# Altium PCB PCB1.PcbDoc (part 2 of 2)
Units mm, origin at the board's own origin, x right, y up, seen from the top; angles counter-clockwise.
Board outline 172 x 137 mm, 4 copper layers (Top Layer, Ground Plane, Power Plane, Bottom Layer), stack 1.62 mm thick; 41 components, 171 nets, 822 pads, 132 vias.
Unrouted connection lines stored in the file: 189.
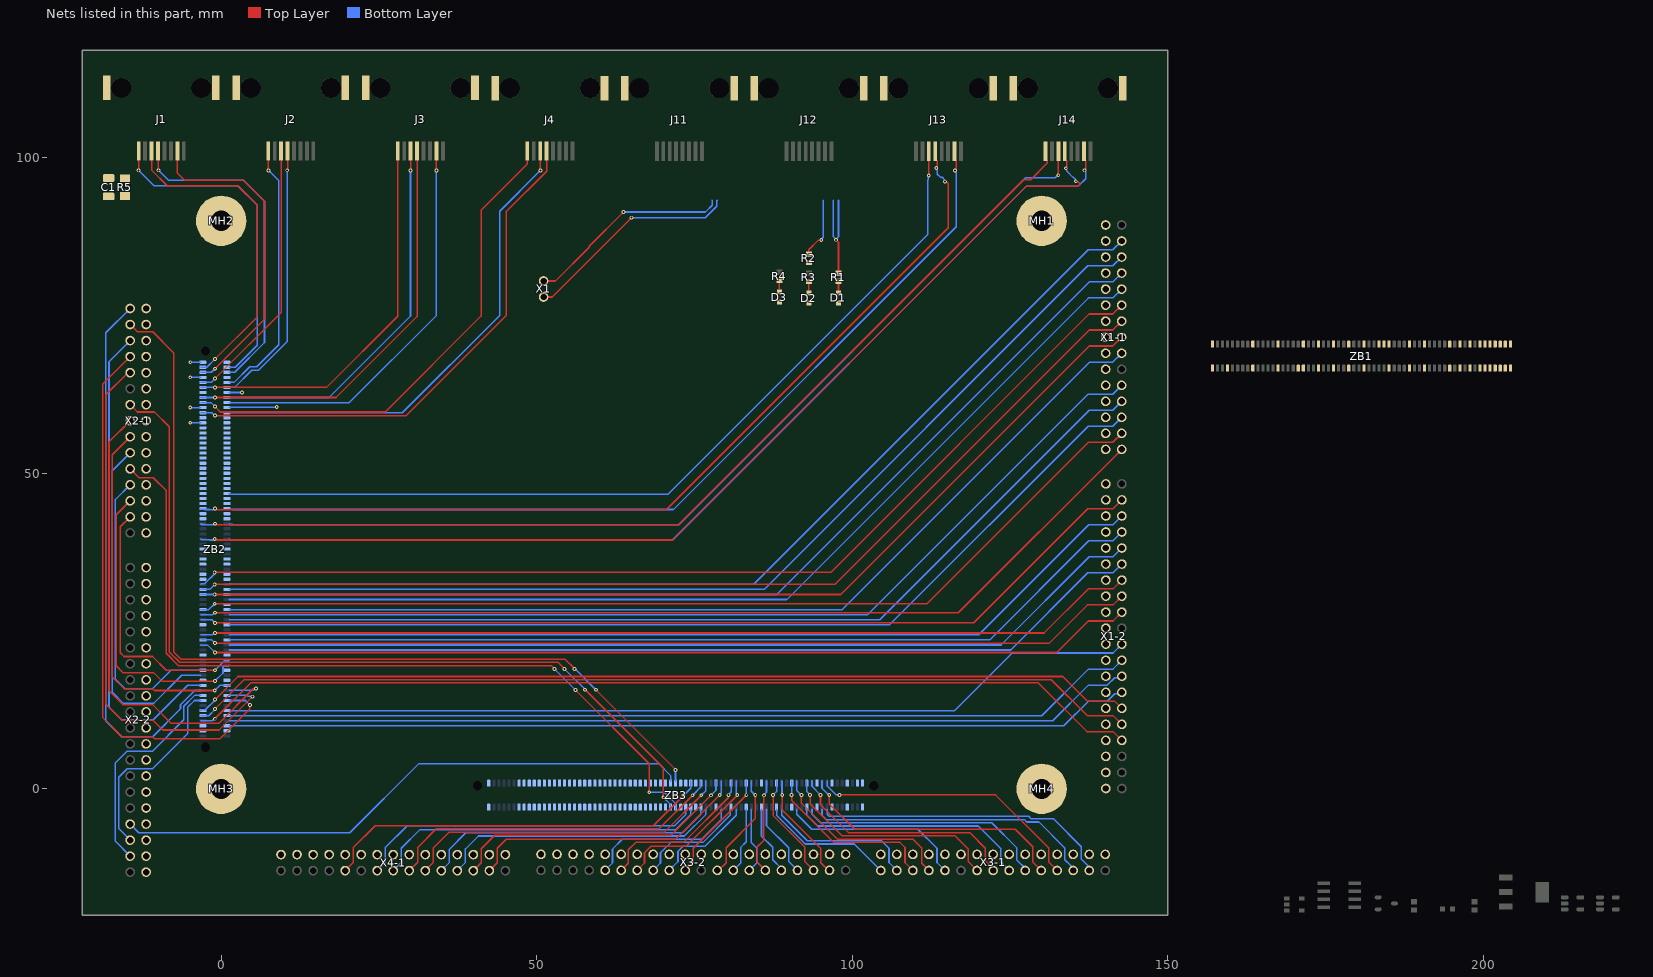
[diagram p4: the nets of this part, all layers, seen from the top]

## Via types
v1: diameter 0.6, hole 0.3, Top Layer to Bottom Layer, 132 vias

## Nets (pads, with @x,y where several pads share a name; then routed paths per layer and width w, separated by ;. In a path a pad name is that pad's centre, name@x,y a point inside that pad or via, vN(x,y) a via of type N, cw(c..) or ccw(c..) an arc to the next point about the centre after c; other vN are vias at no path point) (continued)
AI_P10: J13.3 ZB2.53 | length 141.1
  Top Layer w0.254: v1(112.114,97.195) J13.3@112.114,101.026
  Bottom Layer w0.254: 1.25,46.8 1.373,46.677 1.799,46.677 1.822,46.654 70.754,46.654 111.941,87.841 111.941,96.48 112.047,96.587 112.047,97.129 v1(112.114,97.195)
AI_P11: J13.4 ZB2.60 | length 150.6
  Top Layer w0.254: v1(-0.98,44.4) -0.886,44.4 -0.713,44.227 70.527,44.227 115.187,88.887 115.187,95.928 114.98,96.135 114.735,96.135 v1(114.669,96.202) ; J13.4@113.134,101.026 113.134,99.806 113.444,99.495 113.444,99.058 113.466,99.036 113.466,98.621 113.293,98.448 v1(113.293,98.355)
  Bottom Layer w0.254: -3.25,44.4 -3.127,44.277 -2.701,44.277 -2.678,44.254 -1.847,44.254 -1.82,44.227 -1.246,44.227 -1.073,44.4 v1(-0.98,44.4) ; v1(113.293,98.355) 113.293,98.261 113.466,98.088 113.466,97.37 113.953,96.883 114.232,96.883 114.602,96.512 114.602,96.268 v1(114.669,96.202)
AI_P12: J13.7 ZB2.59 | length 146
  Top Layer w0.254: J13.7@116.194,101.026 116.194,99.806 116.45,99.55 116.45,98.243 116.277,98.07 v1(116.277,97.977)
  Bottom Layer w0.254: 1.25,44.4 1.373,44.277 1.799,44.277 1.822,44.254 71.654,44.254 116.45,89.05 116.45,97.186 116.45,97.71 116.277,97.883 v1(116.277,97.977)
AI_P13: J14.1 ZB2.66 | length 160.1
  Top Layer w0.254: v1(-1.005,42) -0.911,42 -0.738,41.827 72.472,41.827 127.161,96.516 128.25,96.516 130.854,99.12 130.854,99.55 130.598,99.806 J14.1@130.598,101.026
  Bottom Layer w0.254: -3.25,42 -3.127,41.877 -2.701,41.877 -2.678,41.854 -1.847,41.854 -1.82,41.827 -1.271,41.827 -1.098,42 v1(-1.005,42)
AI_P14: J14.3 ZB2.65 | length 158.2
  Top Layer w0.254: v1(132.638,97.218) J14.3@132.638,101.026
  Bottom Layer w0.254: 1.25,42 1.373,41.877 1.799,41.877 1.822,41.854 72.499,41.854 127.452,96.807 132.133,96.807 132.544,97.218 v1(132.638,97.218)
AI_P15: J14.4 ZB2.72 | length 169.4
  Top Layer w0.254: v1(-1.03,39.6) -0.936,39.6 -0.763,39.427 71.509,39.427 127.582,95.5 135.806,95.5 136.011,95.706 136.011,95.916 135.718,96.209 135.474,96.209 v1(135.408,96.275) ; J14.4@133.658,101.026 133.658,99.806 133.953,99.511 133.953,99.058 133.997,99.014 133.997,98.6 133.824,98.427 v1(133.824,98.333)
  Bottom Layer w0.254: -3.25,39.6 -3.127,39.477 -2.701,39.477 -2.678,39.454 -1.847,39.454 -1.82,39.427 -1.296,39.427 -1.123,39.6 v1(-1.03,39.6) ; v1(133.824,98.333) 133.824,98.239 133.997,98.066 133.997,97.845 134.972,96.87 135.039,96.87 135.341,96.568 135.341,96.342 v1(135.408,96.275)
AI_P16: J14.7 ZB2.71 | length 164.1
  Top Layer w0.254: J14.7@136.718,101.026 136.718,99.806 136.974,99.55 136.974,98.265 136.801,98.092 v1(136.801,97.998)
  Bottom Layer w0.254: 1.25,39.6 1.373,39.477 1.799,39.477 1.822,39.454 71.536,39.454 127.582,95.5 135.787,95.5 136.974,96.687 136.974,97.732 136.801,97.905 v1(136.801,97.998)
EXT_DIO_0: X3-1.2 ZB3.15 | length 47.5
  Bottom Layer w0.254: 96,-3.25 96.017,-3.267 96.017,-4.032 96.344,-4.359 127.934,-4.359 128.323,-4.748 131.87,-4.748 136.283,-9.161 136.283,-11.128 137.293,-12.138 137.293,-12.687 X3-1.2@137.536,-12.93
EXT_DIO_1: X3-1.3 ZB3.17 | length 45.7
  Bottom Layer w0.254: 95.2,-3.25 95.2,-4.171 95.896,-4.867 127.26,-4.867 127.649,-5.256 129.561,-5.256 133.669,-9.364 133.669,-11.215 134.636,-12.182 134.636,-12.227 134.996,-12.587 X3-1.3@134.996,-12.93
EXT_DIO_2: X3-1.4 ZB3.16 | length 44.1
  Top Layer w0.254: v1(97.979,-0.96) 122.695,-0.96 131.115,-9.38 131.115,-11.589 X3-1.4@132.456,-12.93
  Bottom Layer w0.254: 96,1.25 96.006,1.244 96.006,0.468 97.433,-0.96 v1(97.979,-0.96)
EXT_DIO_3: X3-1.5 ZB3.18 | length 43.5
  Top Layer w0.254: v1(96.344,-0.995) 96.311,-1.029 96.311,-2.348 100.384,-6.421 123.13,-6.421 125.819,-6.421 128.573,-9.176 128.573,-11.588 X3-1.5@129.916,-12.93
  Bottom Layer w0.254: 95.2,1.25 95.2,0.092 96.287,-0.995 v1(96.344,-0.995)
EXT_DIO_4: X3-1.6 ZB3.21 | length 39.6
  Bottom Layer w0.254: 93.6,-3.25 93.614,-3.264 93.614,-4.032 94.957,-5.375 122.083,-5.375 126.079,-9.371 126.079,-11.291 127.376,-12.589 X3-1.6@127.376,-12.93
EXT_DIO_5: X3-1.7 ZB3.23 | length 37.9
  Bottom Layer w0.254: 92.8,-3.25 92.8,-4.185 94.498,-5.883 119.943,-5.883 123.539,-9.479 123.539,-11.633 X3-1.7@124.836,-12.93
EXT_DIO_6: X3-1.8 ZB3.22 | length 37.3
  Top Layer w0.254: v1(94.957,-0.96) 94.957,-2.508 99.378,-6.929 118.594,-6.929 121.078,-9.413 121.078,-11.338 122.296,-12.556 X3-1.8@122.296,-12.93
  Bottom Layer w0.254: 93.6,1.25 93.6,0.397 v1(94.957,-0.96)
EXT_DIO_7: X3-1.9 ZB3.24 | length 35.8
  Top Layer w0.254: v1(93.3,-0.96) 93.3,-2.379 98.358,-7.437 116.274,-7.437 118.39,-9.553 118.39,-11.564 X3-1.9@119.756,-12.93
  Bottom Layer w0.254: 92.8,1.25 92.8,-0.46 v1(93.3,-0.96)
EXT_DIO_8: X3-1.11 ZB3.27 | length 29.3
  Bottom Layer w0.254: 91.2,-3.25 91.203,-3.253 91.203,-4.032 93.562,-6.391 110.374,-6.391 113.407,-9.424 113.407,-11.661 X3-1.11@114.676,-12.93
EXT_DIO_9: ZB3.29
EXT_DIO_10: X3-1.12 ZB3.28 | length 29.8
  Top Layer w0.254: v1(91.929,-0.995) 91.929,-2.248 97.665,-7.983 109.594,-7.983 110.981,-9.371 110.981,-11.776 X3-1.12@112.136,-12.93
  Bottom Layer w0.254: 91.2,1.25 91.2,-0.266 v1(91.929,-0.995)
EXT_DIO_11: X3-1.13 ZB3.30 | length 28.3
  Top Layer w0.254: v1(90.374,-0.995) 90.394,-1.015 90.394,-1.828 97.056,-8.491 107.549,-8.491 108.339,-9.281 108.339,-11.674 X3-1.13@109.596,-12.93
  Bottom Layer w0.254: v1(90.374,-0.995) 90.387,-0.982 90.387,1.237 90.4,1.25
EXT_DIO_12: X3-1.14 ZB3.33 | length 24.1
  Bottom Layer w0.254: 88.8,-3.25 88.8,-4.181 92.844,-8.225 104.625,-8.225 105.808,-9.408 105.808,-11.682 X3-1.14@107.056,-12.93
EXT_DIO_13: X3-1.15 ZB3.35 | length 21.1
  Bottom Layer w0.254: 88,-3.25 88,-4.181 92.552,-8.733 100.319,-8.733 X3-1.15@104.516,-12.93
EXT_DIO_14: X3-2.2 ZB3.34 | length 17.4
  Top Layer w0.254: v1(88.899,-0.995) 88.899,-3.355 94.989,-9.444 94.989,-11.694 96.206,-12.912 X3-2.2@96.386,-12.912
  Bottom Layer w0.254: 88.8,1.25 88.85,1.2 88.85,-0.946 v1(88.899,-0.995)
EXT_DIO_15: X3-2.3 ZB3.36 | length 17
  Top Layer w0.254: v1(87.437,-0.995) 87.44,-0.998 87.44,-4.216 92.449,-9.225 92.449,-11.515 X3-2.3@93.846,-12.912
  Bottom Layer w0.254: v1(87.437,-0.995) 87.437,-0.978 88,-0.415 88,1.25
EXT_DIO_16: X3-2.4 ZB3.39 | length 11.7
  Bottom Layer w0.254: 86.4,-3.25 86.4,-5.83 89.909,-9.338 89.909,-11.515 X3-2.4@91.306,-12.912
EXT_DIO_17: X3-2.5 ZB3.41 | length 11
  Bottom Layer w0.254: 85.6,-3.25 85.6,-7.505 87.369,-9.274 87.369,-11.212 88.766,-12.609 X3-2.5@88.766,-12.912
EXT_DIO_18: X3-2.6 ZB3.40 | length 15.3
  Top Layer w0.254: v1(86.005,-1.023) 85.946,-1.082 85.946,-8.194 84.946,-9.194 84.946,-11.644 86.214,-12.912 X3-2.6@86.226,-12.912
  Bottom Layer w0.254: v1(86.005,-1.023) 86.005,-0.929 86.4,-0.534 86.4,1.25
EXT_DIO_19: ZB3.42
EXT_DIO_20: X3-2.7 ZB3.45 | length 10.5
  Bottom Layer w0.254: X3-2.7@83.686,-12.912 83.715,-12.912 84.829,-11.798 84.829,-9.311 84,-8.483 84,-3.25
EXT_DIO_21: X3-2.8 ZB3.47 | length 10.5
  Bottom Layer w0.254: X3-2.8@81.146,-12.912 81.183,-12.912 82.294,-11.8 82.294,-9.293 83.2,-8.387 83.2,-3.25
EXT_DIO_22: X3-2.9 ZB3.46 | length 17
  Top Layer w0.254: X3-2.9@78.606,-12.912 78.788,-12.912 80.003,-11.697 80.003,-9.329 84.632,-4.699 v1(84.632,-0.995)
  Bottom Layer w0.254: 84,1.25 84,-0.363 v1(84.632,-0.995)
EXT_DIO_23: X3-2.11 ZB3.48 | length 18.2
  Top Layer w0.254: X3-2.11@73.526,-12.912 74.796,-11.641 74.796,-9.404 v1(83.2,-1)
  Bottom Layer w0.254: v1(83.2,-1) 83.2,1.25
EXT_DIO_24: X3-2.12 ZB3.51 | length 16.1
  Bottom Layer w0.254: X3-2.12@70.986,-12.912 72.383,-11.515 72.383,-9.898 73.217,-9.064 76.697,-9.064 81.6,-4.161 81.6,-3.25
EXT_DIO_25: X3-2.13 ZB3.53 | length 17.8
  Bottom Layer w0.254: X3-2.13@68.446,-12.912 69.6,-11.757 69.6,-10.141 71.253,-8.488 76.34,-8.488 80.677,-4.151 80.677,-3.373 80.8,-3.25
EXT_DIO_26: X3-2.14 ZB3.52 | length 24.1
  Top Layer w0.254: X3-2.14@65.906,-12.912 67.06,-11.757 67.06,-10.141 68.137,-9.064 73.701,-9.064 v1(81.769,-0.995)
  Bottom Layer w0.254: 81.6,1.25 81.6,-0.732 81.769,-0.902 v1(81.769,-0.995)
EXT_DIO_27: X3-2.15 ZB3.54 | length 25.8
  Top Layer w0.254: X3-2.15@63.366,-12.912 64.509,-11.769 64.509,-9.647 65.667,-8.488 73.265,-8.488 80.33,-1.423 80.33,-1.031 v1(80.361,-1)
  Bottom Layer w0.254: v1(80.361,-1) 80.361,-0.914 80.8,-0.475 80.8,1.25
EXT_DIO_28: X3-2.16 ZB3.57 | length 24.6
  Bottom Layer w0.254: X3-2.16@60.826,-12.912 62,-11.737 62,-9.545 63.564,-7.98 76.129,-7.98 79.2,-4.91 79.2,-3.25
EXT_DIO_29: ZB3.59
EXT_DIO_30: X4-1.2 ZB3.58 | length 45.1
  Top Layer w0.254: X4-1.2@42.496,-12.952 42.499,-12.952 43.745,-11.707 43.745,-9.396 45.161,-7.98 71.996,-7.98 v1(78.998,-0.978)
  Bottom Layer w0.254: v1(78.998,-0.978) 78.998,-0.885 79.2,-0.682 79.2,1.25
EXT_DIO_31: X4-1.3 ZB3.60 | length 46.5
  Top Layer w0.254: X4-1.3@39.956,-12.952 41.201,-11.708 41.201,-9.497 43.345,-7.354 71.275,-7.354 v1(77.6,-1.029)
  Bottom Layer w0.254: v1(77.6,-1.029) 78.4,-0.229 78.4,1.25
EXT_DIO_32: X4-1.4 ZB3.63 | length 45.1
  Bottom Layer w0.254: X4-1.4@37.416,-12.952 38.698,-11.671 38.698,-9.534 40.759,-7.472 73.378,-7.472 76.8,-4.05 76.8,-3.25
EXT_DIO_33: X4-1.5 ZB3.65 | length 46.8
  Bottom Layer w0.254: X4-1.5@34.876,-12.952 36.158,-11.671 36.158,-9.555 38.749,-6.964 73.073,-6.964 76,-4.037 76,-3.25
EXT_DIO_34: X4-1.6 ZB3.64 | length 52.6
  Top Layer w0.254: X4-1.6@32.336,-12.952 33.618,-11.671 33.618,-9.358 36.13,-6.846 70.24,-6.846 v1(76.066,-1.02)
  Bottom Layer w0.254: v1(76.066,-1.02) 76.8,-0.286 76.8,1.25
EXT_DIO_35: X4-1.7 ZB3.66 | length 54
  Top Layer w0.254: X4-1.7@29.796,-12.952 31.13,-11.619 31.13,-9.29 34.082,-6.338 69.381,-6.338 v1(74.703,-1.016)
  Bottom Layer w0.254: v1(74.703,-1.016) 76,0.281 76,1.25
EXT_DIO_36: X4-1.8 ZB3.69 | length 53
  Bottom Layer w0.254: X4-1.8@27.256,-12.952 28.538,-11.671 28.538,-9.407 31.489,-6.456 72.031,-6.456 74.4,-4.087 74.4,-3.25
EXT_DIO_37: X4-1.9 ZB3.71 | length 54.8
  Bottom Layer w0.254: X4-1.9@24.716,-12.952 25.998,-11.671 25.998,-9.297 29.466,-5.83 71.82,-5.83 73.6,-4.05 73.6,-3.25
EXT_DIO_38: X4-1.11 ZB3.70 | length 62.7
  Top Layer w0.254: X4-1.11@19.636,-12.952 20.918,-11.671 20.918,-9.299 24.388,-5.83 68.466,-5.83 v1(73.301,-0.995)
  Bottom Layer w0.254: v1(73.301,-0.995) 74.4,0.104 74.4,1.25
EXT_DIO_39: ZB3.72
EXT_DIO_40: X2-1.5 ZB3.75 | length 127.1
  Top Layer w0.254: X2-1.5@-14.43,50.71 -13.033,49.313 -10.779,49.313 -8.726,47.26 -8.726,21.471 -6.791,19.536 52.274,19.536 v1(52.8,19.01) ; v1(56.138,15.648) 67.822,3.964 v1(67.822,-0.534)
  Bottom Layer w0.254: v1(52.8,19.01) 52.8,18.998 56.138,15.66 v1(56.138,15.648) ; v1(67.822,-0.534) 70.208,-0.534 71.993,-2.319 71.993,-3.243 ZB3.75@72,-3.25
EXT_DIO_41: X2-1.9 ZB3.77 | length 136.3
  Top Layer w0.254: X2-1.9@-14.43,60.87 -13.276,59.715 -10.579,59.715 -8.218,57.354 -8.218,21.681 -6.581,20.044 53.366,20.044 v1(54.4,19.01) ; v1(57.662,15.71) 70.046,3.326 v1(70.046,-1.336)
  Bottom Layer w0.254: v1(54.4,19.01) 54.4,18.991 57.662,15.729 v1(57.662,15.71) ; v1(70.046,-1.336) 71.179,-2.468 71.179,-3.229 71.2,-3.25
EXT_DIO_42: X2-1.14 ZB3.76 | length 145.2
  Top Layer w0.254: X2-1.14@-14.43,73.57 -13.276,72.415 -10.838,72.415 -7.541,69.118 -7.541,21.723 -6.37,20.552 54.458,20.552 v1(56,19.01) ; v1(59.388,15.71) 59.388,15.648 71.973,3.062 v1(71.973,3)
  Bottom Layer w0.254: v1(56,19.01) 56.044,19.01 59.344,15.71 v1(59.388,15.71) ; v1(71.973,3) 71.987,2.987 71.987,1.263 ZB3.76@72,1.25
EXT_DIO_43: X2-2.4 ZB3.78 | length 92.4
  Bottom Layer w0.254: X2-2.4@-14.424,-5.58 -13.049,-6.955 20.381,-6.955 31.336,4 69.305,4 71.2,2.105 71.2,1.25
EXT_DIO_44: ZB3.81
EXT_DIO_45: ZB3.83
EXT_DIO_46: ZB3.82
EXT_DIO_47: ZB3.84
GND: C1.2 D1.1 D2.1 D3.1 MH1.1 MH2.1 MH3.1 MH4.1 R5.2 X1-1.16 X1-1.17 X1-1.18 X1-1.19 X1-1.20 X1-1.21 X1-1.22 X1-1.23 X1-1.24 X1-1.25 X1-1.26 X1-1.27 X1-1.28 X1-1.29 X1-1.30 X1-2.21 X1-2.22 X1-2.23 X1-2.24 X1-2.25 X1-2.26 X1-2.27 X1-2.28 X1-2.29 X1-2.30 X1-2.31 X1-2.32 X1-2.33 X1-2.34 X1-2.35 X1-2.36 X1-2.37 X1-2.38 X1-2.39 X1-2.40 X2-1.16 X2-1.17 X2-1.18 X2-1.19 X2-1.20 X2-1.21 X2-1.22 X2-1.23 X2-1.24 X2-1.25 X2-1.26 X2-1.27 X2-1.28 X2-1.29 X2-1.30 X2-2.21 X2-2.22 X2-2.23 X2-2.24 X2-2.25 X2-2.26 X2-2.27 X2-2.28 X2-2.29 X2-2.30 X2-2.31 X2-2.32 X2-2.33 X2-2.34 X2-2.35 X2-2.36 X2-2.37 X2-2.38 X2-2.39 X2-2.40 X3-1.16 X3-1.17 X3-1.18 X3-1.19 X3-1.20 X3-1.21 X3-1.22 X3-1.23 X3-1.24 X3-1.25 X3-1.26 X3-1.27 X3-1.28 X3-1.29 X3-1.30 X3-2.21 X3-2.22 X3-2.23 X3-2.24 X3-2.25 X3-2.26 X3-2.27 X3-2.28 X3-2.29 X3-2.30 X3-2.31 X3-2.32 X3-2.33 X3-2.34 X3-2.35 X3-2.36 X3-2.37 X3-2.38 X3-2.39 X3-2.40 X4-1.16 X4-1.17 X4-1.18 X4-1.19 X4-1.20 X4-1.21 X4-1.22 X4-1.23 X4-1.24 X4-1.25 X4-1.26 X4-1.27 X4-1.28 X4-1.29 X4-1.30 ZB1.1 ZB1.2 ZB1.7 ZB1.8 ZB1.11 ZB1.12 ZB1.13 ZB1.14 ZB1.17 ZB1.18 ZB1.21 ZB1.22 ZB1.25 ZB1.26 ZB1.35 ZB1.36 ZB1.41 ZB1.42 ZB1.49 ZB1.50 ZB1.59 ZB1.60 ZB1.65 ZB1.66 ZB1.71 ZB1.72 ZB1.77 ZB1.78 ZB1.83 ZB1.84 ZB1.85 ZB1.93 ZB1.94 ZB1.103 ZB1.104 ZB1.113 ZB1.119 ZB1.120 ZB2.27 ZB2.28 ZB2.33 ZB2.34 ZB2.39 ZB2.40 ZB2.45 ZB2.46 ZB2.51 ZB2.52 ZB2.57 ZB2.58 ZB2.63 ZB2.64 ZB2.69 ZB2.70 ZB2.75 ZB2.76 ZB2.87 ZB2.88 ZB2.97 ZB2.98 ZB2.107 ZB2.108 ZB2.117 ZB2.118 ZB2.127 ZB2.128 ZB2.137 ZB2.138 ZB2.149 ZB2.150 ZB3.1 ZB3.2 ZB3.13 ZB3.14 ZB3.19 ZB3.20 ZB3.25 ZB3.26 ZB3.31 ZB3.32 ZB3.37 ZB3.38 ZB3.43 ZB3.44 ZB3.49 ZB3.50 ZB3.55 ZB3.56 ZB3.61 ZB3.62 ZB3.67 ZB3.68 ZB3.73 ZB3.74 ZB3.79 ZB3.80 ZB3.85 ZB3.86 ZB3.91 ZB3.92 ZB3.97 ZB3.98 ZB3.103 ZB3.104 ZB3.109 ZB3.110 ZB3.115 ZB3.116 ZB3.121 ZB3.122 ZB3.127 ZB3.128 ZB3.131 ZB3.132 ZB3.137 ZB3.138 ZB3.143 ZB3.144 ZB3.148 ZB3.149 ZB3.150 | length 3.7
  Bottom Layer w0.254: v1(-4.893,67.6) ZB2.150@-3.25,67.6 ; ZB2.137@1.25,62.8 v1(3.291,62.8)
GND-ETH: C1.1 J1.Shell J2.Shell J3.Shell J4.Shell J11.Shell J12.Shell J13.Shell J14.Shell R5.1
LS_AIN_CH0: J1.1 ZB2.3 | length 52.3
  Top Layer w0.254: v1(-13.1,98) -13.085,98.015 -13.085,101.056 J1.1@-13.07,101.071
  Bottom Layer w0.254: v1(-13.1,98) -10.662,95.562 2.631,95.562 5.7,92.494 5.7,70.295 2.205,66.8 1.25,66.8
LS_AIN_CH1: J1.3 ZB2.4 | length 52
  Top Layer w0.254: J1.3@-11.03,101.071 -11.03,98.06 -8.533,95.562 2.631,95.562 5.7,92.494 5.7,74.776 v1(-0.986,68.09)
  Bottom Layer w0.254: -3.25,66.8 -2.284,66.8 -0.994,68.09 v1(-0.986,68.09)
LS_AIN_CH2: J1.4 ZB2.5 | length 51.9
  Top Layer w0.254: J1.4@-10.01,101.071 -9.975,101.036 -9.975,98.036 v1(-9.939,98)
  Bottom Layer w0.254: v1(-9.939,98) -8.367,96.428 3.519,96.428 6.858,93.089 6.858,70.726 2.132,66 1.25,66
LS_AIN_CH3: J1.7 ZB2.6 | length 51.4
  Top Layer w0.254: J1.7@-6.95,101.071 -6.95,97.568 -5.81,96.428 3.519,96.428 6.858,93.089 6.858,74.414 v1(-0.99,66.567)
  Bottom Layer w0.254: -3.25,66 -1.556,66 v1(-0.99,66.567)
LS_AIN_CH4: J2.1 ZB2.9 | length 41.7
  Top Layer w0.254: J2.1@7.454,101.071 7.477,101.048 7.477,98.019 v1(7.5,97.995)
  Bottom Layer w0.254: 1.25,64.4 2.037,64.4 4.534,66.896 5.618,66.896 9.105,70.384 9.105,96.39 v1(7.5,97.995)
LS_AIN_CH5: J2.3 ZB2.10 | length 42.9
  Top Layer w0.254: v1(-0.99,65.003) 9.494,75.486 J2.3@9.494,101.071
  Bottom Layer w0.254: -3.25,64.4 -1.593,64.4 v1(-0.99,65.003)
LS_AIN_CH6: J2.4 ZB2.11 | length 42.4
  Top Layer w0.254: v1(10.449,98) 10.516,98.066 10.516,98.973 10.514,98.975 J2.4@10.514,101.071
  Bottom Layer w0.254: 1.25,63.6 2.12,63.6 4.862,66.342 5.9,66.342 10.449,70.891 v1(10.449,98)
LS_AIN_CH7: J3.1 ZB2.12 | length 62.1
  Top Layer w0.254: v1(-0.99,63.6) 16.678,63.6 27.978,74.9 J3.1@27.978,101.071
  Bottom Layer w0.254: -3.25,63.6 v1(-0.99,63.6)
LS_AIN_CH8: J3.3 ZB2.15 | length 60.3
  Top Layer w0.254: v1(30,97.992) 30.009,98.001 30.009,101.062 J3.3@30.018,101.071
  Bottom Layer w0.254: 1.25,62 17.088,62 30,74.912 v1(30,97.992)
LS_AIN_CH9: J3.4 ZB2.16 | length 65.8
  Top Layer w0.254: v1(-0.994,62) 18.2,62 31.038,74.838 J3.4@31.038,101.071
  Bottom Layer w0.254: -3.25,62 v1(-0.994,62)
LS_AIN_CH10: J3.7 ZB2.17 | length 64.6
  Top Layer w0.254: J3.7@34.098,101.071 34.099,101.07 34.099,97.99 v1(34.1,97.989)
  Bottom Layer w0.254: 1.25,61.2 20.3,61.2 34.1,75 v1(34.1,97.989)
LS_AIN_CH11: J4.1 ZB2.18 | length 80.5
  Top Layer w0.254: v1(-1,60.586) -0.129,59.715 25.979,59.715 41.176,74.912 41.176,91.676 48.502,99.002 J4.1@48.502,101.06
  Bottom Layer w0.254: -3.25,61.2 -1.614,61.2 v1(-1,60.586)
LS_AIN_CH12: J4.3 ZB2.21 | length 78
  Top Layer w0.254: J4.3@50.542,101.06 50.56,101.041 50.56,98.012 v1(50.579,97.994)
  Bottom Layer w0.254: 1.25,59.6 28.702,59.6 44.115,75.014 44.115,91.53 v1(50.579,97.994)
LS_AIN_CH13: J4.4 ZB2.22 | length 83.9
  Top Layer w0.254: v1(-1,59.143) 29.342,59.143 45.181,74.982 45.181,91.481 51.562,97.862 J4.4@51.562,101.06
  Bottom Layer w0.254: -3.25,59.6 -1.506,59.6 -1.049,59.143 v1(-1,59.143)
LS_AIN_CH14: ZB2.23
LS_AIN_CH15: ZB2.24
M1_PWM_EN: X1-1.5 ZB2.95 | length 161.8
  Bottom Layer w0.254: 1.25,30 89.631,30 137.414,77.783 141.275,77.783 X1-1.5@142.672,79.18
M1_PWM_H1: X1-1.2 ZB2.89 | length 164
  Bottom Layer w0.254: 1.25,32.4 84.394,32.4 137.396,85.403 141.275,85.403 X1-1.2@142.672,86.8
M1_PWM_H2: X1-1.3 ZB2.91 | length 163.2
  Bottom Layer w0.254: 1.25,31.6 86.033,31.6 137.296,82.863 141.275,82.863 X1-1.3@142.672,84.26
M1_PWM_H3: X1-1.4 ZB2.93 | length 162.5
  Bottom Layer w0.254: 1.25,30.8 88.017,30.8 137.54,80.323 141.275,80.323 X1-1.4@142.672,81.72
M1_PWM_L1: X1-1.6 ZB2.90 | length 164.4
  Top Layer w0.254: v1(-1.034,34.296) 96.56,34.296 137.506,75.243 141.275,75.243 X1-1.6@142.672,76.64
  Bottom Layer w0.254: -3.25,32.4 -3.127,32.523 -2.588,32.523 -1.1,34.011 -1.1,34.23 v1(-1.034,34.296)
M1_PWM_L2: X1-1.7 ZB2.92 | length 163.5
  Top Layer w0.254: v1(-1.034,32.391) 97.228,32.391 137.54,72.703 141.275,72.703 X1-1.7@142.672,74.1
  Bottom Layer w0.254: -3.25,31.6 -1.825,31.6 v1(-1.034,32.391)
M1_PWM_L3: X1-1.8 ZB2.94 | length 162.8
  Top Layer w0.254: v1(-1.034,30.8) 98.172,30.8 137.535,70.163 141.275,70.163 X1-1.8@142.672,71.56
  Bottom Layer w0.254: -3.25,30.8 v1(-1.034,30.8)
M1_TEMP_H1: X2-1.2 ZB2.119 | length 41.2
  Top Layer w0.254: X2-1.2@-14.43,43.09 -16,41.52 -16,21.566 -15.397,20.963 -10.89,20.963 -8.727,18.8 v1(-1,18.8)
  Bottom Layer w0.254: v1(-1,18.8) 0.51,20.31 1.16,20.31 1.25,20.4
M1_TEMP_H2: X2-1.3 ZB2.121 | length 47.6
  Top Layer w0.254: X2-1.3@-14.43,45.63 -16.641,43.419 -16.641,19.484 -15.58,18.423 -10.729,18.423 -9.379,17.073 v1(-1.005,17.073)
  Bottom Layer w0.254: v1(-1.005,17.073) 0.279,18.356 0.279,19.331 0.483,19.536 1.186,19.536 1.25,19.6
M1_TEMP_H3: X2-1.4 ZB2.124 | length 47.1
  Bottom Layer w0.254: X2-1.4@-14.43,48.17 -16.762,45.839 -16.762,17.38 -15.265,15.883 -10.865,15.883 -7.948,18.8 -3.25,18.8
M2_PWM_EN: X1-1.13 ZB2.105 | length 155
  Bottom Layer w0.254: 1.25,26 105.9,26 137.362,57.463 141.275,57.463 X1-1.13@142.672,58.86
M2_PWM_H1: X1-1.9 ZB2.99 | length 158.2
  Bottom Layer w0.254: 1.25,28.4 98.4,28.4 137.623,67.623 141.275,67.623 X1-1.9@142.672,69.02
M2_PWM_H2: X1-1.11 ZB2.101 | length 156.5
  Bottom Layer w0.254: 1.25,27.6 102.403,27.6 137.346,62.543 141.275,62.543 X1-1.11@142.672,63.94
M2_PWM_H3: X1-1.12 ZB2.103 | length 155.8
  Bottom Layer w0.254: 1.25,26.8 104.336,26.8 137.538,60.003 141.275,60.003 X1-1.12@142.672,61.4
M2_PWM_L1: X1-1.14 ZB2.100 | length 157.5
  Top Layer w0.254: v1(-1.025,29.327) 111.832,29.327 137.428,54.923 141.275,54.923 X1-1.14@142.672,56.32
  Bottom Layer w0.254: -3.25,28.4 -1.952,28.4 v1(-1.025,29.327)
M2_PWM_L2: X1-1.15 ZB2.102 | length 156.8
  Top Layer w0.254: v1(-1.005,27.896) 116.788,27.896 X1-1.15@142.672,53.78
  Bottom Layer w0.254: -3.25,27.6 -1.394,27.6 -1.098,27.896 v1(-1.005,27.896)
M2_PWM_L3: X1-2.2 ZB2.104 | length 154.2
  Top Layer w0.254: v1(-0.98,26.296) 119.224,26.296 137.307,44.379 141.303,44.379 X1-2.2@142.7,45.776
  Bottom Layer w0.254: -3.25,26.8 -1.484,26.8 v1(-0.98,26.296)
M2_TEMP_H1: X2-1.6 ZB2.126 | length 57.4
  Bottom Layer w0.254: X2-1.6@-14.43,53.25 -17.27,50.411 -17.27,15.322 -15.465,13.518 -10.723,13.518 -6.241,18 -3.25,18 ; v1(-4.9,58) ZB2.126@-3.25,58
M2_TEMP_H2: X2-1.7 ZB2.129 | length 59
  Top Layer w0.254: X2-1.7@-14.43,55.79 -17.27,52.951 -17.27,17.739 -15.413,15.883 -10.865,15.883 -10.561,15.579 v1(-1.021,15.579)
  Bottom Layer w0.254: v1(-1.021,15.579) -0.2,16.4 1.25,16.4
M2_TEMP_H3: X2-1.8 ZB2.131 | length 83.8
  Top Layer w0.254: X2-1.8@-14.43,58.33 -17.778,54.983 -17.778,15.542 -15.587,13.351 -10.89,13.351 -7.943,10.404 -0.359,10.404 5.085,15.848 5.471,15.848 v1(5.506,15.883)
  Bottom Layer w0.254: 1.25,15.6 5.129,15.6 5.412,15.883 v1(5.506,15.883) ; ZB2.131@1.25,60.4 1.305,60.455 8.745,60.455 v1(8.8,60.51)
M3_PWM_EN: X1-2.6 ZB2.115 | length 147.1
  Bottom Layer w0.254: 1.25,22 125.089,22 137.308,34.219 141.303,34.219 X1-2.6@142.7,35.616
M3_PWM_H1: X1-2.3 ZB2.109 | length 149.3
  Bottom Layer w0.254: 1.25,24.4 120.01,24.4 137.449,41.839 141.303,41.839 X1-2.3@142.7,43.236
M3_PWM_H2: X1-2.4 ZB2.111 | length 148.5
  Bottom Layer w0.254: 1.25,23.6 121.772,23.6 137.471,39.299 141.303,39.299 X1-2.4@142.7,40.696
M3_PWM_H3: X1-2.5 ZB2.113 | length 147.8
  Bottom Layer w0.254: 1.25,22.8 123.555,22.8 137.514,36.759 141.303,36.759 X1-2.5@142.7,38.156
M3_PWM_L1: X1-2.7 ZB2.110 | length 149.5
  Top Layer w0.254: v1(-0.98,24.696) 130.379,24.696 137.362,31.679 141.303,31.679 X1-2.7@142.7,33.076
  Bottom Layer w0.254: -3.25,24.4 -1.369,24.4 -1.073,24.696 v1(-0.98,24.696)
M3_PWM_L2: X1-2.8 ZB2.112 | length 149.2
  Top Layer w0.254: v1(-0.98,23.096) 131.222,23.096 137.265,29.139 141.303,29.139 X1-2.8@142.7,30.536
  Bottom Layer w0.254: -3.25,23.6 -1.484,23.6 v1(-0.98,23.096)
M3_PWM_L3: X1-2.9 ZB2.114 | length 149.1
  Top Layer w0.254: v1(-1,21.612) 132.375,21.612 137.363,26.599 141.303,26.599 X1-2.9@142.7,27.996
  Bottom Layer w0.254: -3.25,22.8 -3.229,22.779 -2.167,22.779 v1(-1,21.612)
M3_TEMP_H1: X2-1.11 ZB2.133 | length 85.2
  Top Layer w0.254: X2-1.11@-14.43,65.95 -14.774,65.95 -18.286,62.438 -18.286,13.434 -15.726,10.874 -10.805,10.874 -9.251,9.321 -0.352,9.321 v1@4.942,14.616
  Bottom Layer w0.254: 1.25,14.8 4.144,14.8 4.271,14.672 4.886,14.672 v1(4.952,14.606)
M3_TEMP_H2: X2-1.12 ZB2.135 | length 89.9
  Top Layer w0.254: X2-1.12@-14.43,68.49 -18.794,64.127 -18.794,11.317 -15.749,8.273 -10.868,8.273 -10.509,7.914 -0.242,7.914 4.508,12.665 4.508,13.219 v1(4.575,13.285)
  Bottom Layer w0.254: 1.25,14 3.859,14 v1(4.575,13.285)
M3_TEMP_H3: X2-1.13 ZB2.130 | length 77.1
  Bottom Layer w0.254: X2-1.13@-14.43,71.03 -17.778,67.683 -17.778,12.926 -15.781,10.93 -10.76,10.93 -5.29,16.4 -3.25,16.4
M4_PWM_EN: X1-2.14 ZB2.145 | length 143.6
  Bottom Layer w0.254: 1.25,10 133.511,10 137.41,13.899 140.379,13.899 141.557,15.077 142.481,15.077 X1-2.14@142.7,15.296
M4_PWM_H1: X1-2.11 ZB2.139 | length 145.8
  Bottom Layer w0.254: 1.25,12.4 116.207,12.4 125.327,21.519 141.303,21.519 X1-2.11@142.7,22.916
M4_PWM_H2: X1-2.12 ZB2.141 | length 145.1
  Bottom Layer w0.254: 1.25,11.6 130.027,11.6 137.406,18.979 141.303,18.979 X1-2.12@142.7,20.376
M4_PWM_H3: X1-2.13 ZB2.143 | length 144.4
  Bottom Layer w0.254: 1.25,10.8 131.768,10.8 137.408,16.439 140.379,16.439 141.557,17.617 142.481,17.617 X1-2.13@142.7,17.836
M4_PWM_L1: X1-2.15 ZB2.140 | length 150.3
  Top Layer w0.254: v1(-1,14.135) 2.665,17.8 133.352,17.8 137.241,13.911 141.545,13.911 X1-2.15@142.7,12.756
  Bottom Layer w0.254: -3.25,12.4 -3.139,12.511 -2.53,12.511 -1,14.041 v1(-1,14.135)
M4_PWM_L2: X1-2.16 ZB2.142 | length 151.3
  Top Layer w0.254: v1(-1,12.665) 3.627,17.292 131.526,17.292 137.205,11.613 141.303,11.613 X1-2.16@142.7,10.216
  Bottom Layer w0.254: -3.25,11.6 -1.98,11.6 -1,12.58 v1(-1,12.665)
M4_PWM_L3: X1-2.17 ZB2.144 | length 153.9
  Top Layer w0.254: v1(-1.009,11.096) 4.679,16.784 129.47,16.784 137.181,9.073 141.303,9.073 X1-2.17@142.7,7.676
  Bottom Layer w0.254: v1(-4.9,65.2) ZB2.144@-3.25,65.2 ; -3.25,10.8 -1.398,10.8 -1.102,11.096 v1(-1.009,11.096)
M4_TEMP_H1: X2-1.15 ZB2.132 | length 88
  Bottom Layer w0.254: X2-1.15@-14.43,76.11 -18.286,72.255 -18.286,10.809 -15.749,8.273 -10.865,8.273 -6.441,12.697 -6.441,13.324 -4.186,15.579 -3.271,15.579 -3.25,15.6 ; v1(-4.9,60.4) ZB2.132@-3.25,60.4
M4_TEMP_H2: X2-2.2 ZB2.134 | length 34.9
  Bottom Layer w0.254: X2-2.2@-14.424,-10.66 -16.762,-8.323 -16.762,4.127 -14.911,5.977 -10.89,5.977 -5.933,10.934 -5.933,13.089 -4.222,14.8 -3.25,14.8
M4_TEMP_H3: X2-2.3 ZB2.136 | length 31.2
  Bottom Layer w0.254: X2-2.3@-14.424,-8.12 -16.254,-6.291 -16.254,1.827 -14.898,3.183 -10.89,3.183 -5.291,8.783 -5.291,12.955 -4.245,14 -3.25,14
NetD1_2: D1.2 R1.1 | length 1.8
  Top Layer w0.254: D1.2@97.8,78.576 R1.1@97.8,80.406
NetD2_2: D2.2 R2.1 | length 1.8
  Top Layer w0.254: D2.2@93.1,78.56 93.1,80.39
NetD3_2: D3.2 R3.1 R4.1 | length 1.8
  Top Layer w0.254: D3.2@88.45,78.706 R4.1@88.45,80.536
NetD?_1: 
NetD?_2: 
NetQ?_1: 
PESIO_07: ZB2.96
PESIO_15: ZB2.106
PESIO_23: ZB2.116
PESIO_26: ZB2.123
PESIO_27: ZB2.125
PESIO_28: ZB2.120
PESIO_29: ZB2.122
PESIO_47: ZB2.146
PESIO_48: ZB2.147
PESIO_49: ZB2.148
PS_I2C0_SCL: X1.1 ZB1.52 | length 34.4
  Top Layer w0.254: X1.1@51.079,77.93 52.43,77.93 v1(65,90.5)
  Bottom Layer w0.254: v1(65,90.5) 76.694,90.5 78.513,92.319 78.513,93.163 78.6,93.25
PS_I2C0_SDA: X1.2 ZB1.54 | length 32.6
  Top Layer w0.254: X1.2@51.079,80.47 52.953,80.47 58.309,85.825 58.309,85.981 v1(63.73,91.403)
  Bottom Layer w0.254: v1(63.73,91.403) 76.722,91.403 77.787,92.468 77.787,93.237 77.8,93.25
RSVIN_12V: R2.2 ZB1.9 ZB1.10 | length 9.7
  Top Layer w0.254: R2.2@93.1,84.694 93.1,85.397 94.649,86.946 95.031,86.946 v1(95.068,86.982)
  Bottom Layer w0.254: v1(95.068,86.982) 95.068,87.076 95.4,87.408 95.4,88.75 95.4,93.25
VIN_12V: R1.2 ZB1.3 ZB1.4 ZB1.5 ZB1.6 | length 18.2
  Top Layer w0.254: v1(97.412,86.987) 97.8,86.598 R1.2@97.8,81.706
  Bottom Layer w0.254: 97,93.25 97,88.75 97,87.492 v1@97.412,87.08 ; v1(97.412,86.987) v1@97.412,87.08 ; 97.8,93.25 97.8,88.75 97.8,87.469 v1@97.412,87.08
pads on no net: B?.1 B?.2 B?.3 B?.4 B?.5 B?.6 B?.7 B?.8 D?.1 D?.2 J1.M1 J1.M2 J2.7 J2.8 J2.M1 J2.M2 J3.M1 J3.M2 J4.7 J4.8 J4.M1 J4.M2 J11.M1 J11.M2 J12.M1 J12.M2 J13.M1 J13.M2 J14.M1 J14.M2 Q?.1 Q?.2 Q?.3 R?.1 R?.2 U?.1 U?.2 U?.3 U?.4 U?.5 X1-1.10 X1-2.18 X1-2.19 X2-1.10 X2-2.5 X2-2.6 X2-2.7 X2-2.8 X2-2.9 X2-2.11 X2-2.12 X2-2.13 X2-2.14 X2-2.15 X2-2.16 X2-2.17 X2-2.18 X2-2.19 X3-1.10 X3-2.17 X3-2.18 X3-2.19 X4-1.10 X4-1.12 X4-1.13 X4-1.14 X4-1.15 ZB1.23 ZB1.24 ZB1.27 ZB1.28 ZB1.29 ZB1.30 ZB1.31 ZB1.32 ZB1.33 ZB1.34 ZB1.37 ZB1.38 ZB1.39 ZB1.40 ZB1.43 ZB1.44 ZB1.45 ZB1.46 ZB1.47 ZB1.48 ZB1.51 ZB1.53 ZB1.55 ZB1.56 ZB1.57 ZB1.58 ZB1.61 ZB1.62 ZB1.63 ZB1.64 ZB1.67 ZB1.68 ZB1.69 ZB1.70 ZB1.73 ZB1.74 ZB1.75 ZB1.76 ZB1.79 ZB1.80 ZB1.81 ZB1.82 ZB1.86 ZB1.87 ZB1.88 ZB1.89 ZB1.90 ZB1.91 ZB1.92 ZB1.95 ZB1.96 ZB1.97 ZB1.98 ZB1.99 ZB1.100 ZB1.101 ZB1.102 ZB1.105 ZB1.106 ZB1.107 ZB1.108 ZB1.109 ZB1.110 ZB1.111 ZB1.112 ZB1.114 ZB1.115 ZB1.116 ZB1.117 ZB1.118 ZB1.H1 ZB1.H2 ZB2.77 ZB2.78 ZB2.79 ZB2.80 ZB2.81 ZB2.82 ZB2.83 ZB2.84 ZB2.85 ZB2.86 ZB2.H1 ZB2.H2 ZB3.3 ZB3.4 ZB3.5 ZB3.6 ZB3.7 ZB3.8 ZB3.9 ZB3.10 ZB3.11 ZB3.12 ZB3.87 ZB3.88 ZB3.89 ZB3.90 ZB3.93 ZB3.94 ZB3.95 ZB3.96 ZB3.99 ZB3.100 ZB3.101 ZB3.102 ZB3.105 ZB3.106 ZB3.107 ZB3.108 ZB3.111 ZB3.112 ZB3.113 ZB3.114 ZB3.117 ZB3.118 ZB3.119 ZB3.120 ZB3.123 ZB3.124 ZB3.125 ZB3.126 ZB3.129 ZB3.130 ZB3.133 ZB3.134 ZB3.135 ZB3.136 ZB3.139 ZB3.140 ZB3.141 ZB3.142 ZB3.145 ZB3.146 ZB3.147 ZB3.H1 ZB3.H2
copper on no net: | length 1.7
  Top Layer w0.254: 93.1,81.69 93.1,83.394

## Polygon pours and split planes (outlines as drawn)
GND on Bottom Layer "GND_L04_P014" (solid, remove dead copper, pour order 14): -22,117 150,117 150,-20 -22,-20
GND on Top Layer "GND_L01_P015" (solid, remove dead copper, pour order 15): -22,95.057 149.995,95.057 150,95.057 150,-20 -22,-20
GND-ETH on Top Layer "GND-ETH_L01_P016" (solid, remove dead copper, pour order 16): -22,95.514 150,95.514 150,117 -22,117
3V3 on Power Plane (split plane): 149.498,-19.498 -21.498,-19.498 -21.498,116.498 149.498,116.498
GND on Ground Plane (split plane): 149.498,-19.498 -21.498,-19.498 -21.498,116.498 -19.929,116.498 -19.929,98.38 -19.92,98.331 -19.892,98.289 -16.511,94.908 -16.469,94.88 -16.42,94.871 1.989,94.871 4.947,91.913 4.947,79.93 -6.092,68.892 -6.12,68.85 -6.129,68.8 -6.129,57.496 -6.12,57.446 -6.092,57.404 -6.05,57.376 -6,57.367 21.41,57.367 21.46,57.376 21.502,57.404 62.492,98.394 62.52,98.436 62.529,98.486 62.529,116.498 149.498,116.498
AGND on Ground Plane (split plane): 62.271,98.54 21.356,57.625 -5.871,57.625 -5.871,68.746 5.168,79.784 5.196,79.826 5.205,79.876 5.205,91.966 5.196,92.016 5.168,92.058 2.134,95.092 2.092,95.12 2.042,95.129 -16.366,95.129 -19.671,98.434 -19.671,116.394 3.17,116.394 3.22,116.404 3.262,116.432 3.29,116.474 3.294,116.498 62.271,116.498

## Other copper
Ground Plane (plane layer: these items are gaps in the copper):
  lines w0.254: 3.17,116.523 -19.8,116.523 -19.8,98.38 -16.42,95 2.042,95 5.076,91.966 5.076,79.876 -6,68.8 -6,57.496 2.054,57.496 21.41,57.496 62.4,98.486 62.4,116.723 43.914,116.723

## Silkscreen, mask and mechanical layers (free items; w line width, h text height)
Top Overlay:
  text "SDA" at 49.005,82.847 h1.52
  text "SCL" at 49.005,73.754 h1.52
  text "3V3" at 89.278,71.584 h1.52 r90
  text "VIN_12V" at 98.392,65.954 h1.52 r90
  text "RSVIN_12V" at 93.692,62.954 h1.52 r90

## Text inside footprints (layer, text, board x,y; h text height)
ZB1: Top Assembly "2" at 205.05,71.022 h0.5 r180; Top Assembly "1" at 204.811,66.647 h0.5 r180; Top Assembly "120" at 156.539,70.91 h0.5 r180; Top Assembly "119" at 156.539,66.719 h0.5 r180
ZB2: Bottom Assembly "2" at -3.31,7.65 h0.5 r270; Bottom Assembly "1" at 0.874,7.817 h0.5 r270; Bottom Assembly "150" at -3.31,68.13 h0.5 r270; Bottom Assembly "149" at 0.874,68.13 h0.5 r270
ZB3: Bottom Assembly "2" at 41.65,1.31 h0.5 r180; Bottom Assembly "1" at 41.817,-2.874 h0.5 r180; Bottom Assembly "150" at 102.13,1.31 h0.5 r180; Bottom Assembly "149" at 102.13,-2.874 h0.5 r180